# Altium PCB PROC054D_MMWCAS_RF_EVM.PcbDoc (part 1 of 14) (continued)
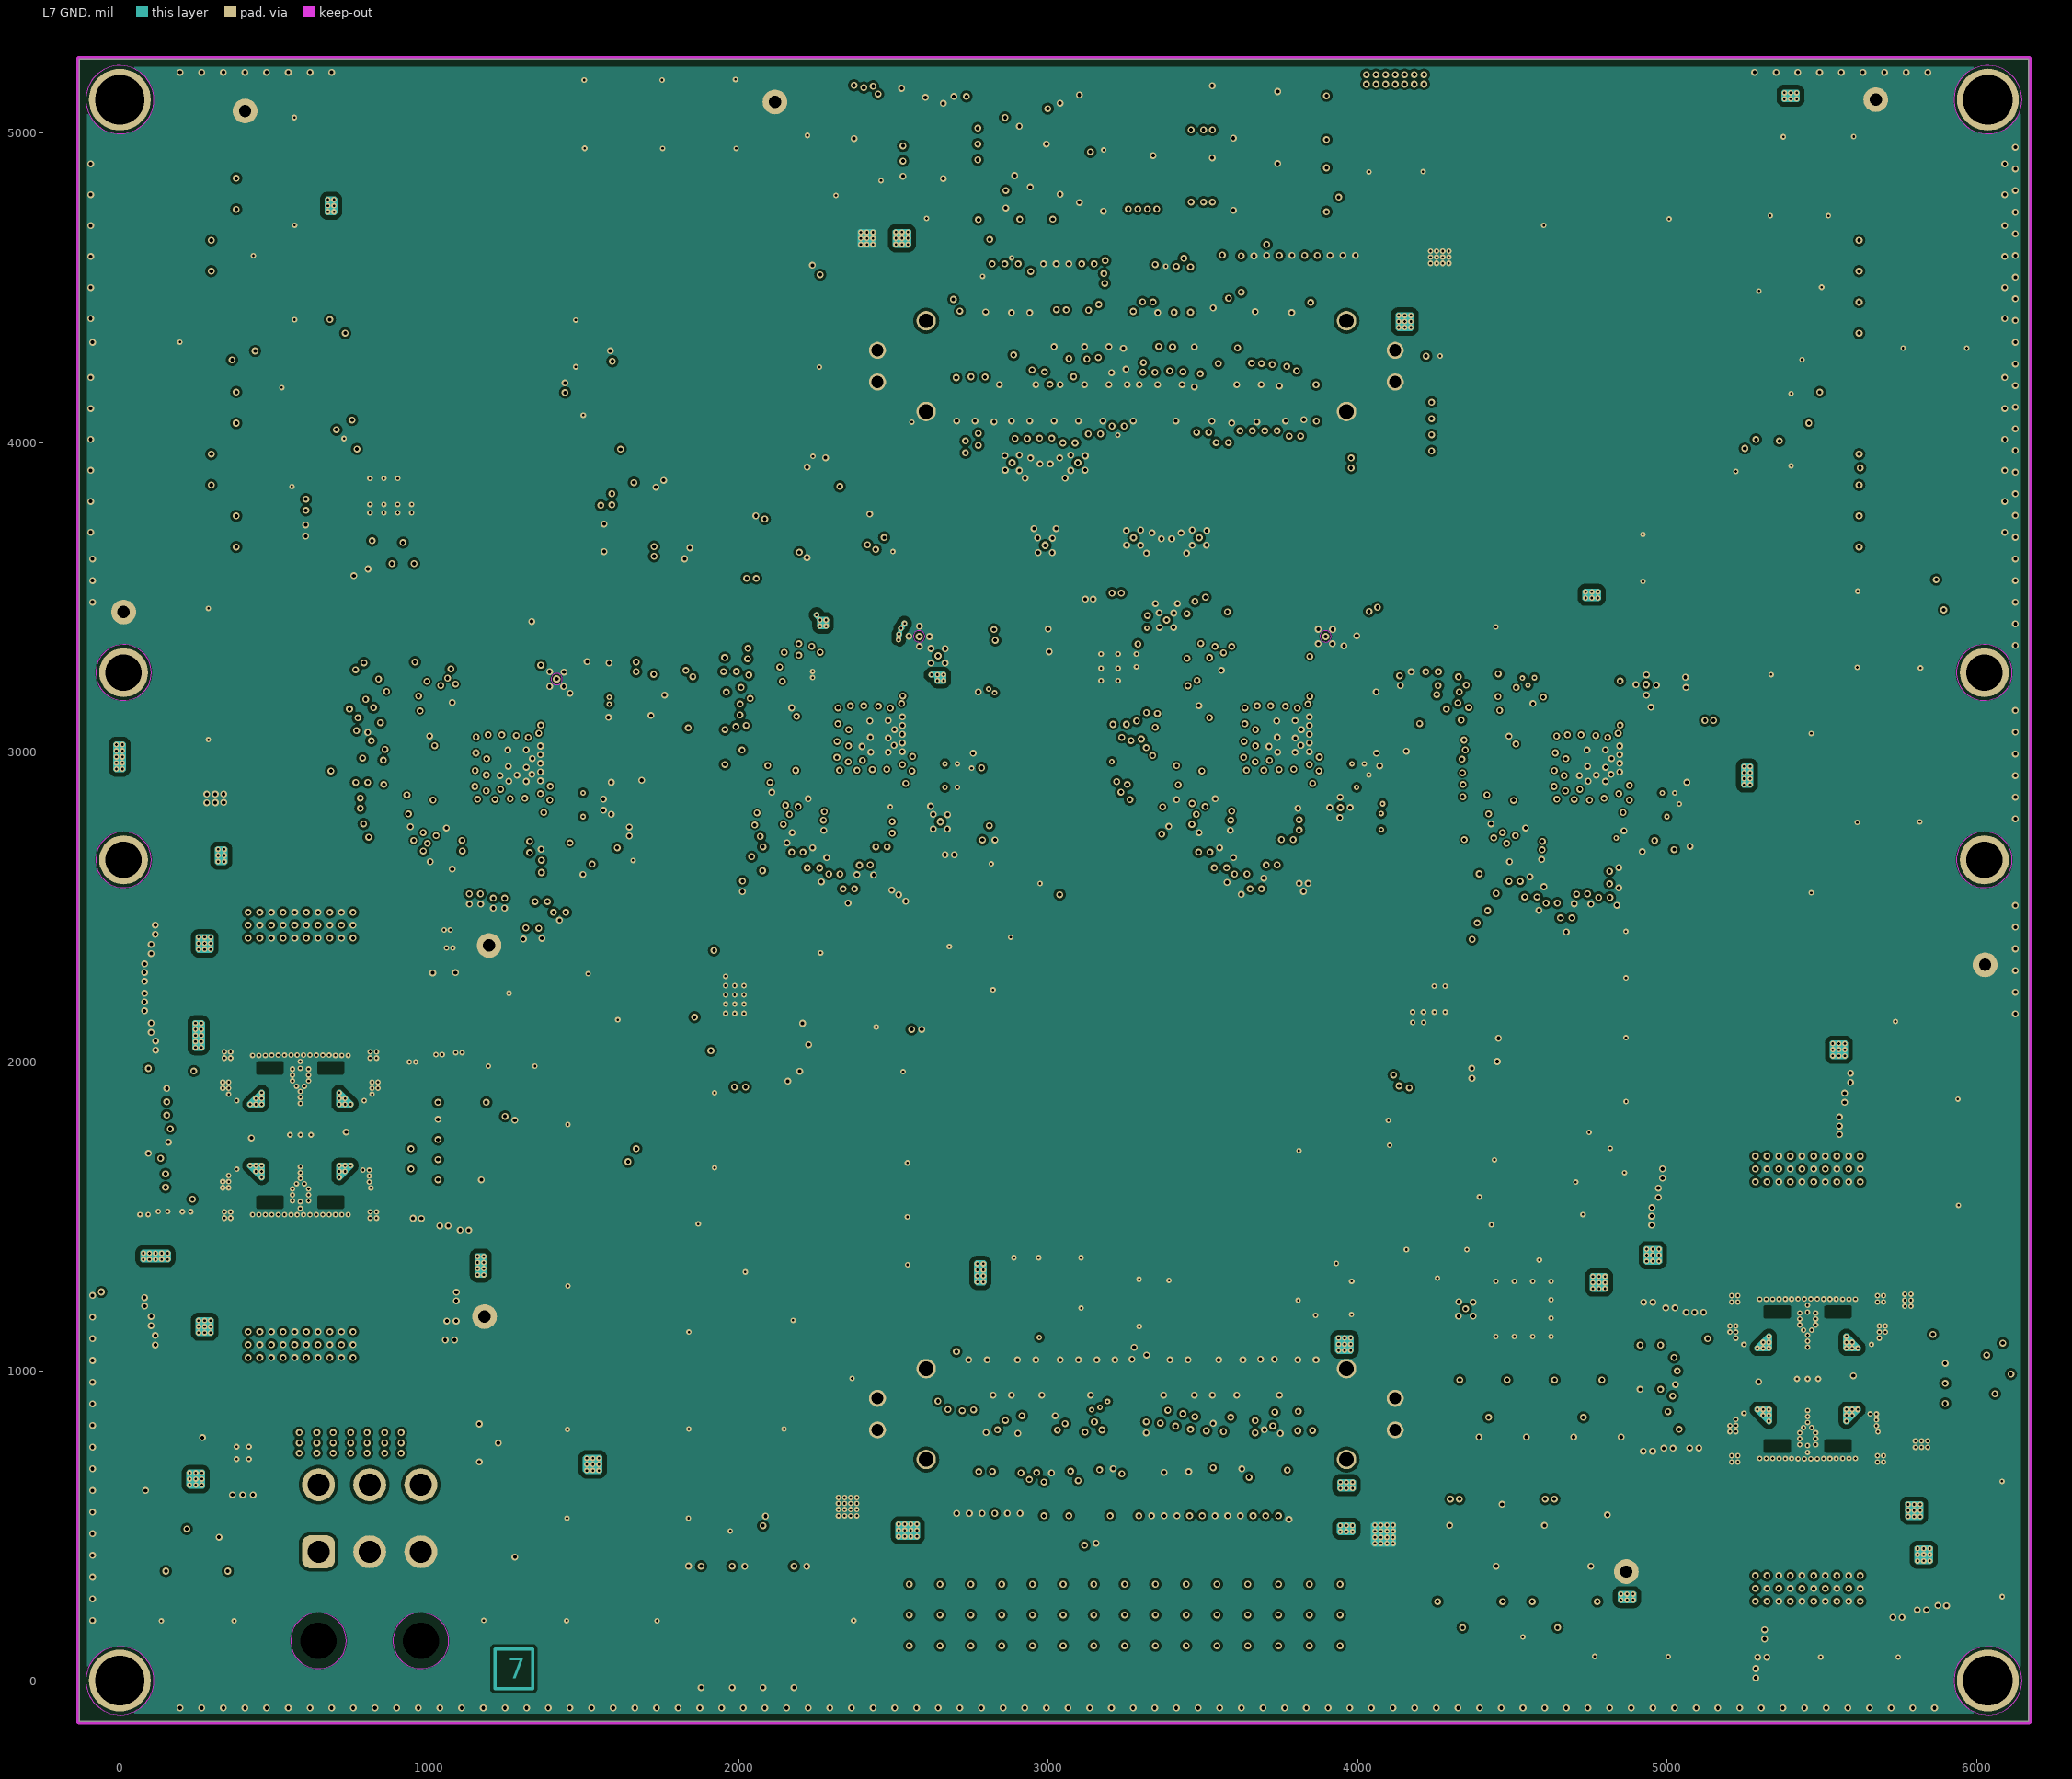
[diagram p7: L7 GND]

## Layer stack, top to bottom
Top Solder: solder mask 0.8, Solder Resist, Dk 3.5
L1 TOP: signal copper 1.6
Dielectric 1: core 5, RO3003, Dk 3
L2 GND: signal copper 0.8
Dielectric2: prepreg 5, RO4450F, Dk 4.2
L3 SIGNAL 1: signal copper 0.6
Dielectric3: core 10.7, RO4835 LOPRO, Dk 3.66
L4 GND: signal copper 0.6
Dielectric4: prepreg 5, 370HR, Dk 4.2
L5 SIGNAL 2: signal copper 1.2
Dielectric5: core 10, 370HR, Dk 4.34
L6 SIGNAL 3: signal copper 0.6
Dielectric6: prepreg 5, 370HR, Dk 4.2
L7 GND: signal copper 0.8
Dielectric7: core 5, 370HR, Dk 4.34
L8 BOTTOM: signal copper 1.6
Bottom Solder: solder mask 0.8, Solder Resist, Dk 3.5

## Board outline
-131,-131 6168.21,-131 6168.21,5239.07 -131,5239.07

## Design rules (kind name [scope] priority, off if disabled: settings)
AcuteAngle [All] p1: minimum=4.00000000000000E+0001 checktracksonly=TRUE
BoardOutlineClearance [All] p1: gap=25 ignorepadtopadclearanceinfootprint=FALSE except(0: Text-OutlineEdge Text-CavityEdge Text-CutoutEdge Text-SplitBarrior Text-SplitContinuation)
Clearance Clearance_TX_RX [(InNetClass('TX') or InNetClass('RX')) and (istrack or IsArc or IsRegion) vs isvia] p1: gap=4 ignorepadtopadclearanceinfootprint=TRUE
Clearance Clearance_L3_4W [istrack and (InNetClass('12XX_CLOCK') or InNetClass('12XX_SYNC')) vs InLayerClass('L3') and inpoly] p2: gap=15.3 ignorepadtopadclearanceinfootprint=TRUE
Clearance Clearance_L6_4W [istrack and (InNetClass('12XX_CLOCK') or InNetClass('12XX_SYNC')) vs InLayerClass('L6') and inpoly] p3: gap=21 ignorepadtopadclearanceinfootprint=TRUE
Clearance Clearance_L8_4W [istrack and (InNetClass('12XX_CLOCK') or InNetClass('12XX_SYNC')) vs InLayerClass('Bottom') and inpoly and not InNet('GND')] p4: gap=23.5 ignorepadtopadclearanceinfootprint=TRUE
Clearance Clearance_GND-Pad [(WithinRoom('GND_Rule1') or WithinRoom('GND_Rule2') or WithinRoom('GND_Rule3') or WithinRoom('GND_Rule4')) and IsPad vs InPoly] p5: gap=9 ignorepadtopadclearanceinfootprint=TRUE
Clearance Clearance_L8_Diff_4W [InAnyDifferentialPair and IsTrack vs Istrack and InLayerClass('Bottom')] p6: gap=21 ignorepadtopadclearanceinfootprint=TRUE
Clearance Clearance_L6_Diff_4W [InAnyDifferentialPair and IsTrack vs Istrack and InLayerClass('L6')] p7: gap=16 ignorepadtopadclearanceinfootprint=TRUE
Clearance "Clearance_Power Divider_1" [isvia and InNetClass('FMCW') and (WithinRoom('Room5') OR WithinRoom('Room6')) vs InNet('GND') and InLayerClass('Top')  and InPoly] p8: gap=8 ignorepadtopadclearanceinfootprint=TRUE except(8.01: Via-Poly)
Clearance "Clearance_Power Divider" [InLayerClass('Top') and All and (WithinRoom('Room5') or WithinRoom('Room6'))] p9: gap=7 ignorepadtopadclearanceinfootprint=TRUE except(4.6: Via-Region; 5.9: Track-Via; 6.6: SMDPad-Poly SMDPad-Region; 8.01: Via-Poly)
Clearance Clearance_FMCW_L3_All_Room [InNetClass('FMCW') and (istrack or IsArc)  and InLayerClass('L3') vs IsVia and (WithinRoom('A1') or WithinRoom('A2') or WithinRoom('A3') or WithinRoom('A4') or WithinRoom('A5') or WithinRoom('A6') or WithinRoom('A7') or WithinRoom('A8') or WithinRoom('A9'))] p10: gap=8 ignorepadtopadclearanceinfootprint=TRUE
Clearance Clearance_FMCW_L3_All [InNetClass('FMCW') and (istrack or IsArc)  and InLayerClass('L3')] p11: gap=50 ignorepadtopadclearanceinfootprint=TRUE except(200: Arc-Poly Track-Poly)
Clearance Clearance_20GHz [IsRegion and InNetClass('20GHz') vs InPoly and InNet('GND')] p12: gap=7 ignorepadtopadclearanceinfootprint=TRUE
Clearance "Clearance_Internal Poly" [InPoly and InLayerClass('Internal') vs isvia and (WithinRoom('Room1') or WithinRoom('Room2') or WithinRoom('Room3') or WithinRoom('Room4'))] p13: gap=5 ignorepadtopadclearanceinfootprint=TRUE
Clearance Clearance_FMCW_L3_Poly [InLayerClass('L3') and InPoly vs (isarc or istrack) AND InNetClass('FMCW')] p14: gap=200 ignorepadtopadclearanceinfootprint=TRUE
Clearance Clearance_Keepout [IsKeepOut] p15: gap=1 ignorepadtopadclearanceinfootprint=TRUE except(0: Arc-SMDPad)
Clearance Clearance_Antenna [InNetClass('Antenna') vs InPoly and InNet('GND') and InLayerClass('Top')] p16: gap=10 ignorepadtopadclearanceinfootprint=FALSE except(4.16: Arc-Poly Track-Poly; 4.69: Poly-Region; 8.01: Via-Poly)
Clearance Clearance_Poly [All vs InPolygon] p17: gap=10 ignorepadtopadclearanceinfootprint=FALSE except(8: Via-Poly; 15: Poly-Poly Poly-Region)
Clearance Clearance_BGA [(WithinRoom('Room1') or WithinRoom('Room2') or WithinRoom('Room3') or WithinRoom('Room4')) and All] p18: gap=4 ignorepadtopadclearanceinfootprint=TRUE
Clearance [All] p19: gap=5 ignorepadtopadclearanceinfootprint=TRUE
DiffPairsRouting [All] p1: maxlimit=10 minlimit=5.5 mostfreqgap=7 toplayer_maxgap=5.5 toplayer_prefgap=5.5 toplayer_minwidth=4 toplayer_maxwidth=6.5 toplayer_prefwidth=6.5 midlayer1_prefgap=5.5 midlayer1_minwidth=4 midlayer1_maxwidth=15 midlayer1_prefwidth=15 midlayer2_prefgap=5.5 midlayer2_minwidth=4 midlayer2_maxwidth=15 midlayer2_prefwidth=15 midlayer3_prefgap=5.5 midlayer3_minwidth=4 midlayer3_maxwidth=15 midlayer3_prefwidth=15 midlayer4_prefgap=5.5 midlayer4_minwidth=4 midlayer4_maxwidth=15 midlayer4_prefwidth=15 midlayer5_mingap=7 midlayer5_maxgap=7 midlayer5_minwidth=5 midlayer5_maxwidth=5 midlayer5_prefwidth=5 midlayer6_prefgap=5.5 midlayer6_minwidth=4 midlayer6_maxwidth=15 midlayer6_prefwidth=15 bottomlayer_mingap=6.75 bottomlayer_maxgap=6.75 bottomlayer_prefgap=6.75 bottomlayer_minwidth=5.25 bottomlayer_maxwidth=5.25 bottomlayer_prefwidth=5.25 maxuncoupledlength=500
HoleSize [All] p1: absolutevalues=TRUE maxlimit=200 minlimit=5.9 maxpercent=80.000 minpercent=20.000
MinimumAnnularRing MinimumAnnularRing_Via [IsVia] p1: minimumring=3.9
MinimumAnnularRing [All] p2: minimumring=7.5
MinimumSolderMaskSliver [All] p1: minsoldermaskwidth=4
PlaneConnect [All] p1: planeconnectstyle=Direct reliefexpansion=20 reliefentries=4 reliefconductorwidth=10 reliefairgap=10
PolygonConnect [All] p1: connectstyle=Direct reliefconductorwidth=25 reliefentries=4 polygonreliefangle="90 Angle" airgapwidth=10
RoomDefinition Room1 [InComponentClass('12XX_4')] p1: confinementstyle=ConfineIn formatcopy=TRUE lockcomponents=FALSE outline 2033.68,3387.07 2640.06,3387.07 2640.06,2735.55 2033.68,2735.55
RoomDefinition Room4 [InComponentClass('Designator')] p2: confinementstyle=ConfineIn formatcopy=TRUE lockcomponents=FALSE outline 852.08,3249.2 1434.07,3249.2 1496.84,3185.76 1496.84,2685.62 852.08,2685.62
RoomDefinition A9 [All] p3: confinementstyle=ConfineOut formatcopy=TRUE lockcomponents=FALSE outline 4145.74,1260.01 4410.11,1260.01 4410.11,1146.81 4145.74,1146.81
RoomDefinition A8 [All] p4: confinementstyle=ConfineOut formatcopy=TRUE lockcomponents=FALSE outline 2598.57,2846.96 2753.75,2846.96 2753.75,2714.54 2598.57,2714.54
RoomDefinition A7 [All] p5: confinementstyle=ConfineOut formatcopy=TRUE lockcomponents=FALSE outline 3895.25,2868.57 4029.93,2868.57 4029.93,2722.5 3895.25,2722.5
RoomDefinition A6 [All] p6: confinementstyle=ConfineOut formatcopy=TRUE lockcomponents=FALSE outline 4876.32,3337.04 5017.79,3337.04 5017.79,3164.57 4876.32,3164.57
RoomDefinition A5 [All] p7: confinementstyle=ConfineOut formatcopy=TRUE lockcomponents=FALSE outline 3835.39,3542.94 3936.51,3542.94 3936.51,3330.51 3835.39,3330.51
RoomDefinition A4 [InComponentClass('Components Class 2')] p8: confinementstyle=ConfineIn formatcopy=TRUE lockcomponents=FALSE outline 3175.56,3808.47 3477.72,3808.47 3591.98,3694.2 3591.98,3647.65 3434.55,3490.22 3434.55,3331.1 3393.93,3290.48 3368.53,3290.48 3338.06,3320.95 3338.06,3457.22 3160.32,3634.96 3160.32,3793.76 3175.58,3809.02
RoomDefinition A3 [InComponentClass('Components Class 1')] p9: confinementstyle=ConfineIn formatcopy=TRUE lockcomponents=FALSE outline 2770.93,3947.31 2798.41,3974.79 3136.7,3974.79 3149.17,3962.32 3149.17,3890.53 3050.37,3791.74 3050.37,3616.18 2992.8,3558.61 2941.62,3558.61 2933.1,3567.14 2933.1,3720.66 2770.71,3883.04 2770.71,3945.66
RoomDefinition A2 [All] p10: confinementstyle=ConfineOut formatcopy=TRUE lockcomponents=FALSE outline 2542.67,3455.84 2644.92,3455.84 2747.67,3353.09 2747.67,3279.13 2680.16,3211.63 2599.75,3211.63 2496.01,3315.37 2496.01,3409.93 2542.15,3456.07
RoomDefinition A1 [All] p11: confinementstyle=ConfineOut formatcopy=TRUE lockcomponents=FALSE outline 1337.09,3340.68 1479.92,3340.68 1479.92,3170.39 1337.09,3170.39
RoomDefinition GND_Rule4 [All] p12: confinementstyle=ConfineOut formatcopy=TRUE lockcomponents=FALSE outline 4866.7,2842.12 4932.23,2842.12 4932.23,2750.95 4866.7,2750.95
RoomDefinition GND_Rule3 [All] p13: confinementstyle=ConfineOut formatcopy=TRUE lockcomponents=FALSE outline 3863.74,2936.22 3929.27,2936.22 3929.27,2845.04 3863.74,2845.04
RoomDefinition GND_Rule1 [All] p14: confinementstyle=ConfineOut formatcopy=TRUE lockcomponents=FALSE outline 1378.19,2850.59 1443.72,2850.59 1443.72,2759.41 1378.19,2759.41
RoomDefinition GND_Rule2 [All] p15: confinementstyle=ConfineOut formatcopy=TRUE lockcomponents=FALSE outline 2551.17,2940.69 2616.7,2940.69 2616.7,2849.52 2551.17,2849.52
RoomDefinition Room6 [InComponentClass('Components Class 2')] p16: confinementstyle=ConfineIn formatcopy=TRUE lockcomponents=FALSE outline 3223.97,3753.59 3539.32,3753.59 3539.32,3383.84 3223.97,3383.84
RoomDefinition Room5 [InComponentClass('Components Class 1')] p17: confinementstyle=ConfineIn formatcopy=TRUE lockcomponents=FALSE outline 2834.35,3978.35 3143.28,3978.35 3143.28,3621.24 2834.35,3621.24
RoomDefinition Room2 [InComponentClass('Designator')] p18: confinementstyle=ConfineIn formatcopy=TRUE lockcomponents=FALSE outline 4337.7,3208.98 4954.79,3208.98 4954.79,2675.33 4337.7,2675.33
RoomDefinition Room3 [InComponentClass('40MHZ_CLOCK')] p19: confinementstyle=ConfineIn formatcopy=TRUE lockcomponents=FALSE outline 3321.42,3391.65 3927.1,3391.65 3927.1,2786.33 3321.42,2786.33
RoutingVias [All] p1: holewidth=28 width=50 viastyle="Through Hole" minholewidth=5.8 minwidth=15 maxholewidth=28 maxwidth=50
SilkToBoardRegionClearance [Not ((IsComment or IsDesignator) And (Hide <> 'False')) and not InRegion(1000,500,4000,800)] p1:
SilkToSilkClearance [All] p1: silktosilkclearance=3
SilkToSolderMaskClearance [IsPad] p1: minsilkscreentomaskgap=3 clearancetoexposedcopper=TRUE
SolderMaskExpansion [All] p1: expansion=0
Width [All] p1: maxlimit=50 minlimit=4 preferedwidth=10
23 further rules are at their usual default settings.

## Classes and differential pairs
channel class PROC054D_AWR_Pull_Resistors: AWR_1 AWR_2 AWR_3 AWR_4
channel class PROC054D_AWR_Power_Decoupling: AWR_1 AWR_2 AWR_3 AWR_4
channel class PROC054D_AWR_Interfaces: AWR_1 AWR_2 AWR_3 AWR_4
net class PMIC_CLKOUT: AWR_1_PMIC_CLKOUT AWR_2_PMIC_CLKOUT AWR_3_PMIC_CLKOUT AWR_4_PMIC_CLKOUT
net class "GND SENSE": AWR_1_OSC_CLKOUT AWR_1_OSC_CLKOUT_CONN AWR_2_OSC_CLKOUT AWR_3_OSC_CLKOUT AWR_3_OSC_CLKOUT_CONN AWR_4_OSC_CLKOUT BUF_CLKOUT2_RS BUF_CLKOUT3 BUF_CLKOUT3_RS BUF_CLKOUT4_RS EXT_40M_BUF_AWR_1_RS
net class FMCW: AWR_1_FMCW_CLKOUT AWR_1_FMCW_SYNCOUT AWR_3_FMCW_CLKOUT
net class 20GHz: AWR_2_FMCW_CLKOUT AWR_2_FMCW_SYNCOUT AWR_3_FMCW_CLKOUT AWR_3_FMCW_SYNCOUT AWR_4_FMCW_CLKOUT AWR_4_FMCW_SYNCOUT
net class TX: AWR_TX1_1 AWR_TX1_2 AWR_TX1_3 AWR_TX1_4 AWR_TX2_1 AWR_TX2_2 AWR_TX2_3 AWR_TX2_4 AWR_TX3_1 AWR_TX3_2 AWR_TX3_3 AWR_TX3_4
net class RX: AWR_RX1_1 AWR_RX1_2 AWR_RX1_3 AWR_RX1_4 AWR_RX2_1 AWR_RX2_2 AWR_RX2_3 AWR_RX2_4 AWR_RX3_1 AWR_RX3_2 AWR_RX3_3 AWR_RX3_4 AWR_RX4_1 AWR_RX4_2 AWR_RX4_3 AWR_RX4_4
net class Non-imp: AWR_1_1V0_RF1_FILT AWR_1_1V0_RF2_FILT AWR_1_1V2_FILT AWR_1_1V8_FILT AWR_1_SCL AWR_1_SDA AWR_1V4_APLL_1 AWR_1V4_APLL_2 AWR_1V4_APLL_3 AWR_1V4_APLL_4 AWR_2_1V0_RF1_FILT AWR_2_1V0_RF2_FILT AWR_2_1V2_FILT AWR_2_1V8_FILT AWR_2_SCL AWR_2_SDA AWR_3_1V0_RF1_FILT AWR_3_1V0_RF2_FILT AWR_3_1V2_FILT AWR_3_1V8_FILT AWR_3_SCL AWR_3_SDA AWR_4_1V0_RF1_FILT AWR_4_1V0_RF2_FILT AWR_4_1V2_FILT AWR_4_1V8_FILT AWR_4_SCL AWR_4_SDA AWR_VBGAP_1 AWR_VBGAP_2 AWR_VBGAP_3 AWR_VBGAP_4 AWR_VOUT_PA_1 AWR_VOUT_PA_2 AWR_VOUT_PA_3 AWR_VOUT_PA_4 GND LMK1_1V8 LMK1_3V3 LMK2_3V3 NetC9_1 NetC37_2 NetC38_2 NetC49_2 NetC50_2 NetC95_2 NetC96_2 NetC107_2 NetC108_2 NetDS3_2 PMIC1_3V3 PMIC1_AWR_1_1V0 PMIC1_AWR_4_1V0 PMIC1_AWR_14_1V2 PMIC1_AWR_14_1V8 PMIC1_FB_B0 PMIC1_FB_B1 PMIC1_FB_B2 PMIC1_FB_B3 PMIC1_INTN PMIC1_PGOOD PMIC1_PGOOD_RS PMIC1_SW_B0 PMIC1_SW_B1 PMIC1_SW_B2 PMIC1_SW_B3 PMIC1_VANA PMIC1_VIN_B0 PMIC1_VIN_B1 PMIC1_VIN_B2 PMIC1_VIN_B3 PMIC2_3V3 PMIC2_AWR_2_1V0 PMIC2_AWR_3_1V0 PMIC2_AWR_23_1V2 PMIC2_AWR_23_1V8 PMIC2_FB_B0 PMIC2_FB_B1 PMIC2_FB_B2 PMIC2_FB_B3 PMIC2_INTN PMIC2_PGOOD PMIC2_PGOOD_RS PMIC2_SW_B0 PMIC2_SW_B1 PMIC2_SW_B2 PMIC2_SW_B3 PMIC2_VANA PMIC2_VIN_B0 PMIC2_VIN_B1 PMIC2_VIN_B2 PMIC2_VIN_B3 QSPI_FLASH_3V3_1 QSPI_FLASH_3V3_2 QSPI_FLASH_3V3_3 QSPI_FLASH_3V3_4 SDA_RS_1 SDA_RS_2 SDA_RS_3 SDA_RS_4 SYSTEM_1V8 SYSTEM_3V3 SYSTEM_3V3_LED SYSTEM_3V3_LED_PW SYSTEM_5V0 SYSTEM_5V0_LED SYSTEM_PGOOD SYSTEM_PGOOD2_GS TMP1_3V3 TMP2_3V3
net class Impedance: 40M_BUF_IN_PRIMAWRY 40M_BUF_IN_SECONDAWRY AWR_1_BSS_LOGGER AWR_1_CSI2_CLK_N AWR_1_CSI2_CLK_P AWR_1_CSI2_TX0_N AWR_1_CSI2_TX0_P AWR_1_CSI2_TX1_N AWR_1_CSI2_TX1_P AWR_1_CSI2_TX2_N AWR_1_CSI2_TX2_P AWR_1_CSI2_TX3_N AWR_1_CSI2_TX3_P AWR_1_DIG_SYNCIN AWR_1_DIG_SYNCIN_RS AWR_1_DIG_SYNCOUT AWR_1_FMCW_CLKOUT AWR_1_FMCW_SYNCOUT AWR_1_GPIO_0 AWR_1_GPIO_1 AWR_1_GPIO_2 AWR_1_LVDS_FRCLK_N AWR_1_LVDS_FRCLK_P AWR_1_LVDS_VALID_N AWR_1_LVDS_VALID_P AWR_1_MCU_CLKOUT AWR_1_MCU_CLKOUT_CONN AWR_1_MSS_LOGGER AWR_1_NERROR_IN AWR_1_NERROR_OUT AWR_1_NRST AWR_1_NRST_HOST AWR_1_NRST_HOST_GS AWR_1_NRST_LED AWR_1_NRST_LED_PW AWR_1_NRST_RS AWR_1_OSC_CLKOUT AWR_1_OSC_CLKOUT_CONN AWR_1_PMIC_CLKOUT AWR_1_SOP0_TDO AWR_1_SOP1_SYNCOUT AWR_1_SOP2_PMICCLKOUT AWR_1_SPI_CLK1 AWR_1_SPI_CS1 AWR_1_SPI_HOST_INTR1 AWR_1_SPI_MISO1 AWR_1_SPI_MOSI1 AWR_1_TCK AWR_1_TDI AWR_1_TDO AWR_1_TMS AWR_1_UART_RX AWR_1_UART_TX AWR_1_WARM_RST AWR_1_XTAL_CLKM AWR_1_XTAL_CLKP AWR_1_XTALP_RS AWR_1V4_SYNTH_1 AWR_1V4_SYNTH_2 AWR_1V4_SYNTH_3 AWR_1V4_SYNTH_4 AWR_2_BSS_LOGGER AWR_2_CSI2_CLK_N AWR_2_CSI2_CLK_P AWR_2_CSI2_TX0_N AWR_2_CSI2_TX0_P AWR_2_CSI2_TX1_N AWR_2_CSI2_TX1_P AWR_2_CSI2_TX2_N AWR_2_CSI2_TX2_P AWR_2_CSI2_TX3_N AWR_2_CSI2_TX3_P AWR_2_DIG_SYNCIN AWR_2_DIG_SYNCIN_RS AWR_2_DIG_SYNCOUT AWR_2_FMCW_CLKOUT AWR_2_FMCW_SYNCOUT AWR_2_GPIO_0 AWR_2_GPIO_1 AWR_2_GPIO_2 AWR_2_LVDS_FRCLK_N AWR_2_LVDS_FRCLK_P AWR_2_LVDS_VALID_N AWR_2_LVDS_VALID_P AWR_2_MCU_CLKOUT AWR_2_MSS_LOGGER AWR_2_NERROR_IN AWR_2_NERROR_OUT AWR_2_NRST AWR_2_NRST_HOST AWR_2_NRST_HOST_GS AWR_2_NRST_LED AWR_2_NRST_LED_PW AWR_2_NRST_RS AWR_2_OSC_CLKOUT AWR_2_PMIC_CLKOUT AWR_2_SOP0_TDO AWR_2_SOP1_SYNCOUT AWR_2_SOP2_PMICCLKOUT AWR_2_SPI_CLK1 AWR_2_SPI_CS1 AWR_2_SPI_HOST_INTR1 AWR_2_SPI_MISO1 AWR_2_SPI_MOSI1 AWR_2_TCK AWR_2_TDI AWR_2_TDO AWR_2_TMS AWR_2_UART_RX AWR_2_UART_TX AWR_2_WARM_RST AWR_2_XTAL_CLKM AWR_2_XTAL_CLKP AWR_3_BSS_LOGGER AWR_3_CSI2_CLK_N AWR_3_CSI2_CLK_P AWR_3_CSI2_TX0_N AWR_3_CSI2_TX0_P AWR_3_CSI2_TX1_N AWR_3_CSI2_TX1_P AWR_3_CSI2_TX2_N AWR_3_CSI2_TX2_P AWR_3_CSI2_TX3_N AWR_3_CSI2_TX3_P AWR_3_DIG_SYNCIN AWR_3_DIG_SYNCIN_RS AWR_3_DIG_SYNCOUT AWR_3_FMCW_CLKOUT AWR_3_FMCW_SYNCOUT AWR_3_GPIO_0 AWR_3_GPIO_1 AWR_3_GPIO_2 AWR_3_LVDS_FRCLK_N AWR_3_LVDS_FRCLK_P AWR_3_LVDS_VALID_N AWR_3_LVDS_VALID_P AWR_3_MCU_CLKOUT AWR_3_MSS_LOGGER AWR_3_NERROR_IN AWR_3_NERROR_OUT AWR_3_NRST AWR_3_NRST_HOST AWR_3_NRST_HOST_GS AWR_3_NRST_LED AWR_3_NRST_LED_PW AWR_3_NRST_RS AWR_3_OSC_CLKOUT AWR_3_OSC_CLKOUT_CONN AWR_3_PMIC_CLKOUT AWR_3_SOP0_TDO AWR_3_SOP1_SYNCOUT AWR_3_SOP2_PMICCLKOUT AWR_3_SPI_CLK1 AWR_3_SPI_CS1 AWR_3_SPI_HOST_INTR1 AWR_3_SPI_MISO1 AWR_3_SPI_MOSI1 AWR_3_TCK AWR_3_TDI AWR_3_TDO AWR_3_TMS AWR_3_UART_RX AWR_3_UART_TX AWR_3_WARM_RST AWR_3_XTAL_CLKM AWR_3_XTAL_CLKP AWR_3_XTALP_RS AWR_4_BSS_LOGGER AWR_4_CSI2_CLK_N AWR_4_CSI2_CLK_P AWR_4_CSI2_TX0_N AWR_4_CSI2_TX0_P AWR_4_CSI2_TX1_N AWR_4_CSI2_TX1_P AWR_4_CSI2_TX2_N AWR_4_CSI2_TX2_P AWR_4_CSI2_TX3_N AWR_4_CSI2_TX3_P AWR_4_DIG_SYNCIN AWR_4_DIG_SYNCIN_RS AWR_4_DIG_SYNCOUT AWR_4_FMCW_CLKOUT AWR_4_FMCW_SYNCOUT AWR_4_GPIO_0 AWR_4_GPIO_1 AWR_4_GPIO_2 AWR_4_LVDS_FRCLK_N AWR_4_LVDS_FRCLK_P AWR_4_LVDS_VALID_N AWR_4_LVDS_VALID_P AWR_4_MCU_CLKOUT AWR_4_MSS_LOGGER AWR_4_NERROR_IN AWR_4_NERROR_OUT AWR_4_NRST AWR_4_NRST_HOST AWR_4_NRST_HOST_GS AWR_4_NRST_LED AWR_4_NRST_LED_PW AWR_4_NRST_RS AWR_4_OSC_CLKOUT AWR_4_PMIC_CLKOUT AWR_4_SOP0_TDO AWR_4_SOP1_SYNCOUT AWR_4_SOP2_PMICCLKOUT AWR_4_SPI_CLK1 AWR_4_SPI_CS1 AWR_4_SPI_HOST_INTR1 AWR_4_SPI_MISO1 AWR_4_SPI_MOSI1 AWR_4_TCK AWR_4_TDI AWR_4_TDO AWR_4_TMS AWR_4_UART_RX AWR_4_UART_TX AWR_4_WARM_RST AWR_4_XTAL_CLKM AWR_4_XTAL_CLKP AWR_CONN_TP1 AWR_CONN_TP2 AWR_CONN_TP3 AWR_CONN_TP4 AWR_RX1_1 AWR_RX1_2 AWR_RX1_3 AWR_RX1_4 AWR_RX2_1 AWR_RX2_2 AWR_RX2_3 AWR_RX2_4 AWR_RX3_1 AWR_RX3_2 AWR_RX3_3 AWR_RX3_4 AWR_RX4_1 AWR_RX4_2 AWR_RX4_3 AWR_RX4_4 AWR_TX1_1 AWR_TX1_2 AWR_TX1_3 AWR_TX1_4 AWR_TX2_1 AWR_TX2_2 AWR_TX2_3 AWR_TX2_4 AWR_TX3_1 AWR_TX3_2 AWR_TX3_3 AWR_TX3_4 BSS_LOGGER_RS_1 BSS_LOGGER_RS_2 BSS_LOGGER_RS_3 BSS_LOGGER_RS_4 BUF_CLKOUT1 BUF_CLKOUT1_RS BUF_CLKOUT2_RS BUF_CLKOUT3 BUF_CLKOUT3_RS BUF_CLKOUT4_RS CONN_MONITOR_1 CONN_MONITOR_2 DIG_SYNC_SOURCE DIG_SYNCOUT_RS_1 DIG_SYNCOUT_RS_2 DIG_SYNCOUT_RS_3 DIG_SYNCOUT_RS_4 EXT_40M_BUF_AWR_1_RS EXT_40MHZ_CLK_1V8 EXT_DIG_SYNC GPADC1_1 GPADC1_2 GPADC1_3 GPADC1_4 GPADC1_CONN_1 GPADC1_CONN_2 GPADC1_CONN_3 GPADC1_CONN_4 GPADC2_1 GPADC2_2 GPADC2_3 GPADC2_4 GPADC2_CONN_1 GPADC2_CONN_2 GPADC2_CONN_3 GPADC2_CONN_4 GPADC3_1 GPADC3_2 GPADC3_3 GPADC3_4 GPADC3_CONN_1 GPADC3_CONN_2 GPADC3_CONN_3 GPADC3_CONN_4 GPADC4_1 GPADC4_2 GPADC4_3 GPADC4_4 GPADC4_CONN_1 GPADC4_CONN_2 GPADC4_CONN_3 GPADC4_CONN_4 GPADC5_1 GPADC5_2 GPADC5_3 GPADC5_4 GPADC5_CONN_1 GPADC5_CONN_2 GPADC5_CONN_3 GPADC5_CONN_4 GPADC6_1 GPADC6_2 GPADC6_3 GPADC6_4 GPADC6_CONN_1 GPADC6_CONN_2 GPADC6_CONN_3 GPADC6_CONN_4 LMK1_CLK_EN LMK1_CLK_SEL LMK1_nCLK LMK1_OE LMK2_CLK_EN LMK2_CLK_EN_N LMK2_CLK_EN_P LMK2_CLK_SEL LMK2_OE MCU_CLKOUT_RS_1 MCU_CLKOUT_RS_2 MCU_CLKOUT_RS_3 MCU_CLKOUT_RS_4 MSS_LOGGER_RS_1 MSS_LOGGER_RS_2 MSS_LOGGER_RS_3 MSS_LOGGER_RS_4 NERROR_OUT NERROR_OUT_LED NERROR_OUT_RS_1 NERROR_OUT_RS_2 NERROR_OUT_RS_3 NERROR_OUT_RS_4 NetDS4_2 NetDS5_2 NetDS6_2 NetDS7_2 OSC_CLKOUT_RS_1 OSC_CLKOUT_RS_2 OSC_CLKOUT_RS_3 OSC_CLKOUT_RS_4 PMIC1_GPIO2 PMIC1_GPIO3 PMIC1_SCL PMIC1_SDA PMIC2_GPIO2 PMIC2_GPIO3 PMIC2_TMPSNS_SCL PMIC2_TMPSNS_SDA PMIC_BUCK_EN PMIC_BUCKEN_CONN PMIC_CLKOUT_RS_1 PMIC_CLKOUT_RS_2 PMIC_CLKOUT_RS_3 PMIC_CLKOUT_RS_4 PMIC_NRST PMIC_NRST_CONN QSPI_CLK_1 QSPI_CLK_2 QSPI_CLK_3 QSPI_CLK_4 QSPI_CLK_RS_1 QSPI_CLK_RS_2 QSPI_CLK_RS_3 QSPI_CLK_RS_4 QSPI_CS_1 QSPI_CS_2 QSPI_CS_3 QSPI_CS_4 QSPI_CS_RS_1 QSPI_CS_RS_2 QSPI_CS_RS_3 QSPI_CS_RS_4 QSPI_D0_1 QSPI_D0_2 QSPI_D0_3 QSPI_D0_4 QSPI_D0_RS_1 QSPI_D0_RS_2 QSPI_D0_RS_3 QSPI_D0_RS_4 QSPI_D1_1 QSPI_D1_2 QSPI_D1_3 QSPI_D1_4 QSPI_D1_RS_1 QSPI_D1_RS_2 QSPI_D1_RS_3 QSPI_D1_RS_4 QSPI_D2_1 QSPI_D2_2 QSPI_D2_3 QSPI_D2_4 QSPI_D2_RS_1 QSPI_D2_RS_2 QSPI_D2_RS_3 QSPI_D2_RS_4 QSPI_D3_1 QSPI_D3_2 QSPI_D3_3 QSPI_D3_4 QSPI_D3_RS_1 QSPI_D3_RS_2 QSPI_D3_RS_3 QSPI_D3_RS_4 SPI_HOST_INTR1_RS_1 SPI_HOST_INTR1_RS_2 SPI_HOST_INTR1_RS_3 SPI_HOST_INTR1_RS_4 SPI_MISO1_RS_1 SPI_MISO1_RS_2 SPI_MISO1_RS_3 SPI_MISO1_RS_4 TDO_RS_1 TDO_RS_2 TDO_RS_3 TDO_RS_4 TMP1_ADD0 TMP2_ADD0 TMP_ALERT TMPSNS_ALERT TMPSNS_SCL TMPSNS_SDA UART_TX_RS_1 UART_TX_RS_2 UART_TX_RS_3 UART_TX_RS_4
net class SYSTEM_5V: SYSTEM_5V0
net class SYSTEM_5V_INPUT: PMIC1_VANA PMIC1_VIN_B0 PMIC1_VIN_B1 PMIC1_VIN_B2 PMIC1_VIN_B3 PMIC2_VANA PMIC2_VIN_B0 PMIC2_VIN_B1 PMIC2_VIN_B2 PMIC2_VIN_B3
net class SYSTEM_3V3: LMK1_3V3 LMK2_3V3 QSPI_FLASH_3V3_1 QSPI_FLASH_3V3_2 QSPI_FLASH_3V3_3 QSPI_FLASH_3V3_4 SYSTEM_3V3 TMP1_3V3 TMP2_3V3
net class SYSTEM_1V8: LMK1_1V8 SYSTEM_1V8
net class PMIC_OUTPUT: PMIC1_FB_B0 PMIC1_FB_B1 PMIC1_FB_B2 PMIC1_FB_B3 PMIC1_SW_B0 PMIC1_SW_B1 PMIC1_SW_B2 PMIC1_SW_B3 PMIC2_FB_B0 PMIC2_FB_B1 PMIC2_FB_B2 PMIC2_FB_B3 PMIC2_SW_B0 PMIC2_SW_B1 PMIC2_SW_B2 PMIC2_SW_B3
net class PMIC_CONTROL: AWR_1_PMIC_CLKOUT AWR_3_PMIC_CLKOUT PMIC1_GPIO2 PMIC1_GPIO3 PMIC1_INTN PMIC1_PGOOD_RS PMIC1_SCL PMIC1_SDA PMIC2_GPIO2 PMIC2_GPIO3 PMIC2_INTN PMIC2_PGOOD_RS PMIC2_TMPSNS_SCL PMIC2_TMPSNS_SDA PMIC_BUCK_EN PMIC_NRST
net class AWR_QSPI: QSPI_CLK_1 QSPI_CLK_2 QSPI_CLK_3 QSPI_CLK_4 QSPI_CLK_RS_1 QSPI_CLK_RS_2 QSPI_CLK_RS_3 QSPI_CLK_RS_4 QSPI_CS_1 QSPI_CS_2 QSPI_CS_3 QSPI_CS_4 QSPI_CS_RS_1 QSPI_CS_RS_2 QSPI_CS_RS_3 QSPI_CS_RS_4 QSPI_D0_1 QSPI_D0_2 QSPI_D0_3 QSPI_D0_4 QSPI_D1_1 QSPI_D1_2 QSPI_D1_3 QSPI_D1_4 QSPI_D2_1 QSPI_D2_2 QSPI_D2_3 QSPI_D2_4 QSPI_D3_1 QSPI_D3_2 QSPI_D3_3 QSPI_D3_4
net class AWR_POWER_ANA: AWR_1V4_APLL_1 AWR_1V4_APLL_2 AWR_1V4_APLL_3 AWR_1V4_APLL_4 AWR_1V4_SYNTH_1 AWR_1V4_SYNTH_2 AWR_1V4_SYNTH_3 AWR_1V4_SYNTH_4 AWR_VBGAP_1 AWR_VBGAP_2 AWR_VBGAP_3 AWR_VBGAP_4 AWR_VOUT_PA_1 AWR_VOUT_PA_2 AWR_VOUT_PA_3 AWR_VOUT_PA_4
net class AWR_GENERAL: AWR_1_BSS_LOGGER AWR_1_GPIO_0 AWR_1_GPIO_1 AWR_1_GPIO_2 AWR_1_MSS_LOGGER AWR_1_NERROR_IN AWR_1_NERROR_OUT AWR_1_NRST AWR_1_SCL AWR_1_SDA AWR_1_SPI_CLK1 AWR_1_SPI_CS1 AWR_1_SPI_HOST_INTR1 AWR_1_SPI_MISO1 AWR_1_SPI_MOSI1 AWR_1_UART_RX AWR_1_UART_TX AWR_1_WARM_RST AWR_2_BSS_LOGGER AWR_2_GPIO_0 AWR_2_GPIO_1 AWR_2_GPIO_2 AWR_2_MSS_LOGGER AWR_2_NERROR_IN AWR_2_NERROR_OUT AWR_2_NRST AWR_2_SCL AWR_2_SDA AWR_2_SPI_CLK1 AWR_2_SPI_CS1 AWR_2_SPI_HOST_INTR1 AWR_2_SPI_MISO1 AWR_2_SPI_MOSI1 AWR_2_UART_RX AWR_2_UART_TX AWR_2_WARM_RST AWR_3_BSS_LOGGER AWR_3_GPIO_0 AWR_3_GPIO_1 AWR_3_GPIO_2 AWR_3_MSS_LOGGER AWR_3_NERROR_IN AWR_3_NERROR_OUT AWR_3_NRST AWR_3_SCL AWR_3_SDA AWR_3_SPI_CLK1 AWR_3_SPI_CS1 AWR_3_SPI_HOST_INTR1 AWR_3_SPI_MISO1 AWR_3_SPI_MOSI1 AWR_3_UART_RX AWR_3_UART_TX AWR_3_WARM_RST AWR_4_BSS_LOGGER AWR_4_GPIO_0 AWR_4_GPIO_1 AWR_4_GPIO_2 AWR_4_MSS_LOGGER AWR_4_NERROR_IN AWR_4_NERROR_OUT AWR_4_NRST AWR_4_SCL AWR_4_SDA AWR_4_SPI_CLK1 AWR_4_SPI_CS1 AWR_4_SPI_HOST_INTR1 AWR_4_SPI_MISO1 AWR_4_SPI_MOSI1 AWR_4_UART_RX AWR_4_UART_TX AWR_4_WARM_RST BSS_LOGGER_RS_1 BSS_LOGGER_RS_2 BSS_LOGGER_RS_3 BSS_LOGGER_RS_4 MSS_LOGGER_RS_1 MSS_LOGGER_RS_2 MSS_LOGGER_RS_3 MSS_LOGGER_RS_4 NERROR_OUT_RS_1 NERROR_OUT_RS_2 NERROR_OUT_RS_3 NERROR_OUT_RS_4 SDA_RS_1 SDA_RS_2 SDA_RS_3 SDA_RS_4 SPI_HOST_INTR1_RS_1 SPI_HOST_INTR1_RS_2 SPI_HOST_INTR1_RS_3 SPI_HOST_INTR1_RS_4 SPI_MISO1_RS_1 SPI_MISO1_RS_2 SPI_MISO1_RS_3 SPI_MISO1_RS_4 UART_TX_RS_1 UART_TX_RS_2 UART_TX_RS_3 UART_TX_RS_4